# KiCad board board.kicad_pcb (continued)
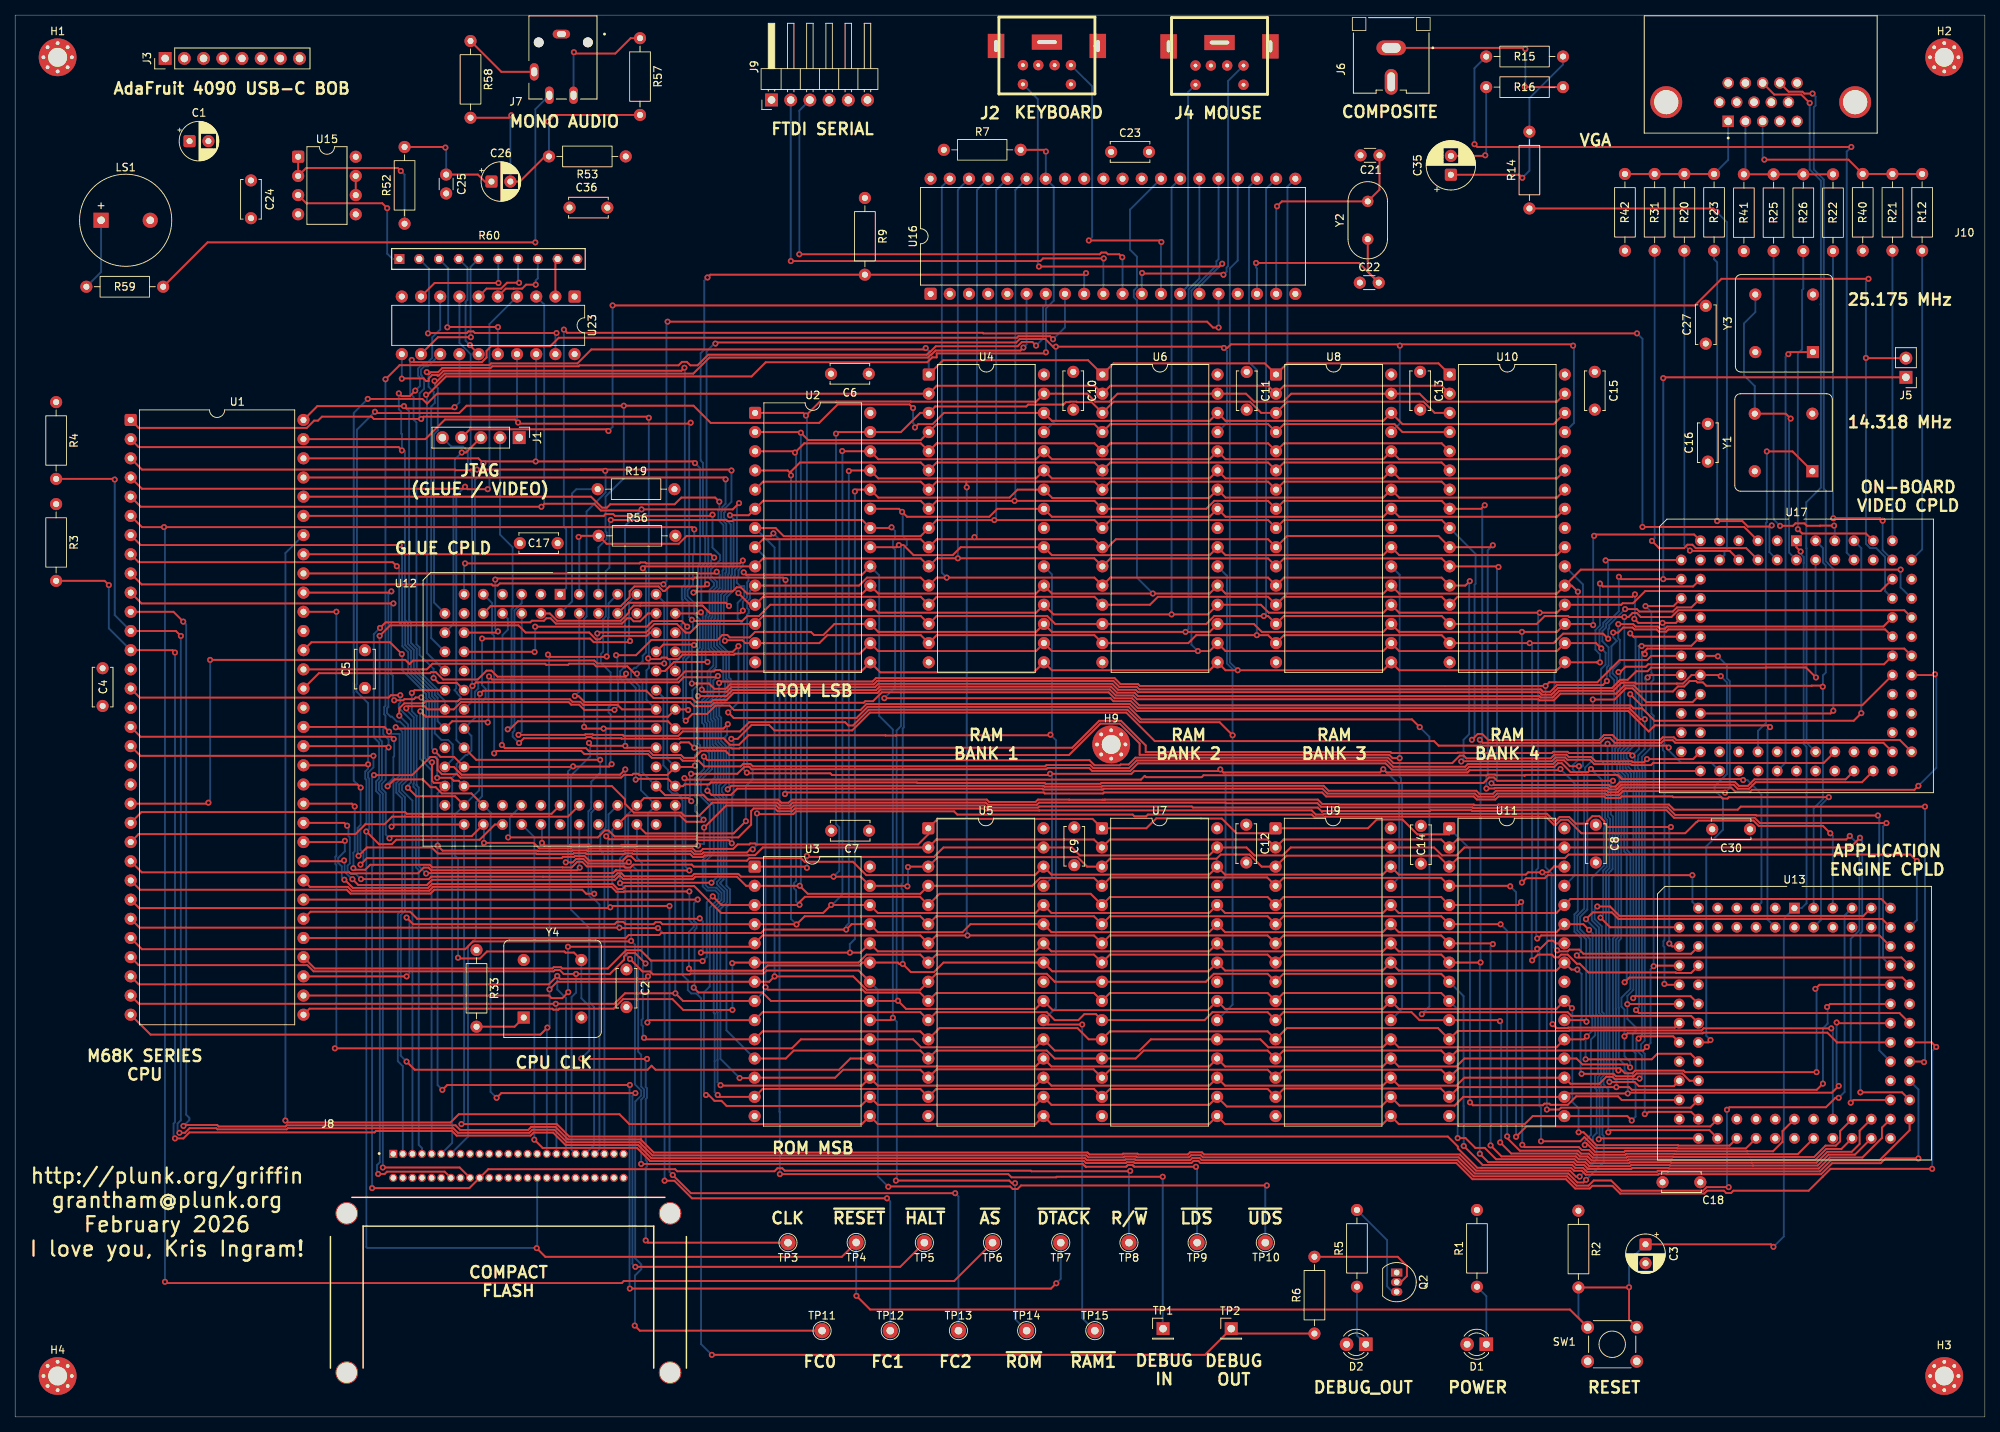
[diagram p0: board, top side]
## Routing (per net, layer and track width the routed paths; a pad name or vN(x,y) marks a point on that pad's centre or on a via; arc(x,y) is an arc through that point) (continued)
D15: length 313.9
  Top w0.25: U13.27 221.67,48.08 217.26,48.08 216.52,47.34 v1(207.77,47.34) ; v1(42.3,48.79) 102.77,48.79 103.96,49.99 U3.19 118.81,49.99 119.86,48.93 135,48.93 U5.21 137.54,48.5 148.77,48.5 150.26,49.99 U7.21 164.75,49.99 165.8,48.93 180.94,48.93 U9.21 183.05,48.93 203.92,48.93 U11.21 207.54,49.99 v1(207.94,50.38) ; U17.27 221.93,94.63 215.82,94.63 214,96.45 213.08,96.45 211.6,94.97 v1(208.73,94.97) ; v1(42.5,106.59) 42.49,106.58 U1.54
  Bottom w0.25: v1(207.77,47.34) 207.77,50.35 207.81,50.38 v1(207.94,50.38) 208.66,51.11 208.66,52.77 208.33,53.11 208.33,63.28 207.04,64.57 207.04,66.2 208,67.16 208,85.01 207.71,85.31 207.71,85.95 208.73,86.96 v1(208.73,94.97) ; v1(42.5,106.59) 42.5,74.28 42.37,74.15 42.37,73.19 42.5,73.06 42.5,48.99 v1(42.3,48.79)
DEBUG_IN: length 190.6
  Top w0.25: v1(74.55,116.49) 74.7,116.64 R56.1 78.25,115.59 87.79,115.59 88.83,116.62 99.98,116.62 v1(100.32,116.96) ; v1(151.82,31.79) 137.8,31.79 137.72,31.72 131.82,31.72 131.4,32.14 v1(101.18,32.14)
  Bottom w0.25: v1(100.32,116.96) 101.13,116.16 101.13,40.39 101.18,40.35 v1(101.18,32.14) ; U12.83 74.64,116.4 v1(74.55,116.49) ; 151.82,11.73 v1(151.82,31.79)
DEBUG_OUT: length 173.2
  Top w0.25: R6.1 161.75,11.04 161.1,11.69 TP2.1 157.42,8.22 v1(92.18,8.22)
  Bottom w0.25: v1(92.18,8.22) 90.75,9.64 90.75,55.43 90.12,56.06 89.45,56.06 89,56.51 89,57.79 88.3,58.49 88.3,81.63 88.17,81.76 88.17,81.96 87.59,82.54 86.94,82.54 86.38,83.11 86.38,85.65 85.76,86.26 85.76,95.24 84.8,96.21
ENGINE_TCK: length 252.7
  Top w0.25: U13.62 253.56,49.58 v1(254.16,48.98) ; v1(68.69,36.7) 69.79,35.61 72.68,35.61 72.68,35.6 82.28,35.6 84.02,33.87 141.41,33.87 141.66,33.61 146.94,33.61 147.05,33.72 148,33.72 148.11,33.61 155.62,33.61 155.9,33.89 156.55,33.89 156.83,33.61 190.68,33.61 192.82,31.47 205.17,31.47 206.4,30.24 208.32,30.24 208.67,30.59 211.33,30.59 212.35,29.57 223.47,29.57 223.85,29.94 226.07,29.94 226.38,29.64 227.02,29.64 227.33,29.94 237.28,29.94 239.16,31.82 239.16,31.82 240.18,32.84 v1(253.62,32.84)
  Bottom w0.25: v1(254.16,48.98) 253.62,48.44 v1(253.62,32.84) ; 67.02,78.43 68.69,76.75 v1(68.69,36.7)
ENGINE_TDI: length 182.3
  Top w0.25: U13.14 219.24,62.28 v1(218.85,62.67) ; v1(219.05,78.09) 210.7,78.09 210.26,78.54 210.26,78.86 209.6,79.52 208.66,79.52 208,78.86 208,78.54 206.48,78.54 205.59,79.43 204.35,79.43 203.71,78.79 202.67,79.84 173.16,79.84 173.06,79.74 172.09,79.74 171.54,80.29 135.49,80.29 135.48,80.28 128.39,80.28 128.13,80.54 103.16,80.54 102.8,80.18 100.9,80.18 100.54,80.54 97.71,80.54 97.38,80.21 97.38,78.41 95.68,76.72 90.34,76.72 90.21,76.84 79.32,76.84 78.52,77.64 78.03,77.64 77.1,76.72 v1(65.22,76.72)
  Bottom w0.25: v1(219.05,78.09) 218.85,77.89 v1(218.85,62.67) ; 67.02,80.97 65.44,79.39 65.44,76.93 v1(65.22,76.72)
ENGINE_TDO: length 205.1
  Top w0.25: v1(69.7,75.99) 70.05,75.64 73.33,75.64 73.44,75.75 75.96,75.75 76.07,75.64 80.15,75.64 80.24,75.73 82.13,75.73 82.22,75.64 v1(90.35,75.64) ; v1(91.15,78.02) 94.07,80.94 100.67,80.94 101.06,80.55 102.64,80.55 103.03,80.94 128.27,80.94 128.55,80.66 135.32,80.66 135.48,80.81 155.68,80.81 155.82,80.67 172.35,80.67 172.9,80.12 173,80.22 187.18,80.22 187.27,80.31 192.67,80.31 192.77,80.22 196.45,80.22 196.54,80.31 218.48,80.31 219.48,79.31 230.13,79.31 230.83,78.62 v1(247.57,78.62)
  Bottom w0.25: v1(91.15,78.02) 91.15,75.84 90.55,75.84 v1(90.35,75.64) ; U13.71 247.12,60.72 247.12,78.17 v1(247.57,78.62) ; v1(69.7,75.99) 69.7,78.28
ENGINE_TMS: length 187.8
  Top w0.25: v1(94.34,93.26) 95.06,92.53 111.32,92.53 112.79,93.99 147.31,93.99 148.97,92.34 184.8,92.34 v1(185.82,91.31) ; U13.23 221.74,53.08 205.9,53.08 205.41,53.58 186.36,53.58 v1(186.1,53.32) ; v1(95.69,102.04) 94.94,101.28 U12.70
  Bottom w0.25: v1(186.1,53.32) 187.11,54.32 187.11,90.03 v1(185.82,91.31) ; v1(94.34,93.26) 95.69,94.61 v1(95.69,102.04)
FC0: length 376.1
  Top w0.25: U13.33 209.64,36.88 v1(209.51,36.75) ; v1(81.5,63.02) 81.43,62.95 60.57,62.95 59.54,61.91 16.78,61.91 U1.28 ; TP11.1 82.65,11.42 v1(81.97,12.09) ; v1(89.43,85.14) 95.55,85.14 96.48,86.06 97.12,86.06 97.44,85.75 136.44,85.75 136.61,85.92 142.09,85.92 142.5,85.51 147.53,85.51 148.54,86.52 181.32,86.52 182.14,85.69 191.99,85.69 192.34,86.05 203.63,86.05 204.12,86.54 204.61,86.54 205.79,85.37 208.09,85.37 v1(208.49,85.77) ; U12.52 83.22,81.93 89.04,81.93 v1(89.46,81.52) ; U17.33 208.61,85.5 208.49,85.63
  Bottom w0.25: v1(209.51,36.75) 209.62,36.87 209.62,43.48 209.4,43.71 209.4,44.97 209.79,45.37 209.79,53.24 209.54,53.49 209.54,64.79 208.59,65.74 208.59,71.37 210.18,72.96 210.18,77.86 210.26,77.93 210.26,78.86 209.97,79.15 209.97,84.28 v1(208.49,85.77) ; v1(89.46,81.52) 89.28,81.7 89.28,84.99 v1(89.43,85.14) ; v1(81.97,12.09) 82.01,12.12 82.01,18.71 82.84,19.54 82.84,20.19 82.04,20.98 82.04,41.75 82.84,42.54 82.84,43.19 82.01,44.02 82.01,62.51 v1(81.5,63.02) 81.5,72.09 80.41,73.18 80.41,73.77 81.1,74.46 81.1,79.81 U12.52
FC1: length 378.4
  Top w0.25: v1(91.12,87.41) 91.59,86.94 142.14,86.94 142.81,86.27 146.16,86.27 146.26,86.37 147.33,86.37 148.23,87.27 181.64,87.27 182.36,86.55 190.13,86.55 191.13,87.55 191.64,87.55 192.01,87.18 203.16,87.18 203.65,87.67 205.23,87.67 205.53,87.37 208.51,87.37 209.09,86.79 213.88,86.79 214.01,86.66 215.47,86.66 v1(215.89,87.08) 222,87.08 U17.34 ; U12.49 80.92,79.62 87.96,79.62 88.79,78.79 90.81,78.79 v1(91.08,79.06) ; U1.27 16.47,64.77 v1(79.95,64.77) 80,64.72 v1(85.05,64.72) ; U13.34 221.74,40.38 216.12,40.38 215.77,40.04 215.73,40.09 v1(215.6,40.09) ; v1(115.35,28.94) 89.54,28.94 87.22,31.27 v1(85.93,31.27)
  Bottom w0.25: v1(115.35,28.94) 115.78,28.51 TP12.1 ; v1(91.08,79.06) 89.97,80.17 89.97,80.93 90.23,81.19 90.23,81.84 89.97,82.1 89.97,84.59 91.12,85.74 v1(91.12,87.41) ; v1(79.95,64.77) 79.72,65 79.72,69.89 79.01,70.6 79.01,77.71 U12.49 ; v1(85.05,64.72) 85.93,63.84 v1(85.93,31.27) ; v1(215.89,87.08) 215.6,86.79 215.6,86.01 215.67,85.94 215.67,82.49 215.6,82.42 215.6,49.81 215.11,49.31 215.11,48.57 215.6,48.07 v1(215.6,40.09)
FC2: length 413.5
  Top w0.25: v1(78.2,76.87) 78.6,76.47 90.06,76.47 90.19,76.34 94.42,76.34 v1(94.81,75.94) ; v1(218.77,88.6) 218.51,88.86 210.92,88.86 v1(210.68,89.11) 210.43,88.86 188.33,88.86 187.73,89.47 150.78,89.47 147,93.24 113.1,93.24 110.74,90.88 100.46,90.88 99.75,91.59 97.42,91.59 95.59,89.76 v1(94.75,89.76) ; v1(86.57,67.64) 78.92,67.64 v1(78.74,67.46) 78.64,67.37 16.41,67.37 U1.26 ; v1(124.38,29.62) 89.4,29.62 v1(87,32.02) ; v1(210.78,37.68) 211.06,37.97 224.16,37.97 U13.35
  Bottom w0.25: v1(87,32.02) 86.57,32.44 v1(86.57,67.64) ; v1(124.38,29.62) 124.8,29.19 TP13.1 ; U12.50 78.52,79.77 78.52,77.19 v1(78.2,76.87) 78.43,76.64 78.43,67.77 v1(78.74,67.46) ; U17.35 224.39,86.62 220.39,86.62 218.77,88.24 v1(218.77,88.6) ; v1(94.75,89.76) 95.05,89.46 95.05,82.36 94.88,82.19 94.88,76.01 v1(94.81,75.94) ; v1(210.68,89.11) 210.68,86.55 210.72,86.5 210.72,79.46 211.01,79.17 211.01,77.62 210.94,77.54 210.94,72.65 210.47,72.18 210.47,61.66 210.55,61.58 210.55,45.05 210.15,44.65 210.15,44.02 210.78,43.39 v1(210.78,37.68)
IO_RESET: length 112.7
  Top w0.25: v1(141.68,151.42) 141.47,151.21 R9.2 91.97,151.21 v1(91.6,150.84) ; 84.8,98.75 85.98,98.75 87.17,99.94 v1(91.6,99.94)
  Bottom w0.25: v1(141.68,151.42) 141.44,151.18 U16.9 ; v1(91.6,150.84) 91.18,150.42 91.18,141.3 90.7,140.82 90.7,126.61 91,126.31 91,116.67 91.3,116.37 91.3,113.06 90.78,112.54 90.78,107.56 91.5,106.84 91.5,106.2 91.34,106.04 91.34,100.2 v1(91.6,99.94)
JTAG_TCK: length 257.1
  Top w0.25: v1(94.29,91.71) 93.71,91.12 U12.62 86.38,92.09 66.52,92.09 65.46,91.02 v1(65.17,91.02) ; v1(251.8,83.54) 251.27,83.02 229.79,83.02 229.55,82.78 227.57,82.78 227.04,83.31 212.65,83.31 212.02,82.69 210.76,82.69 210.55,82.89 195.92,82.89 195.52,82.49 193.72,82.49 193.31,82.89 173.76,82.9 173.11,83.55 143.87,83.55 143.76,83.44 136.16,83.44 136.05,83.55 94.74,83.55 v1(94.27,83.08) ; v1(254,98.31) 253.89,98.21 U17.62
  Bottom w0.25: v1(254,98.31) 254.18,98.14 254.18,85.92 v1(251.8,83.54) ; v1(94.27,83.08) 94.47,83.28 94.47,88.98 93.97,89.48 93.97,90.08 94.19,90.29 94.19,91.61 v1(94.29,91.71) ; J1.2 64.15,116.8 65.82,115.13 65.82,107.07 65.68,106.92 65.68,91.53 v1(65.17,91.02)
JTAG_TDI: length 28.1
  Top w0.25: v1(59.09,127.68) 59.65,127.68 J1.3
  Bottom w0.25: v1(59.09,127.68) 58.18,126.76 58.18,122.32 57.99,122.13 57.99,104.95 56.86,103.83
JTAG_TDO: length 254.1
  Top w0.25: v1(245.2,150.67) 225.76,150.67 222.24,147.14 v1(79.05,147.14) ; 250.15,140.17 244.89,140.17 v1(244.86,140.19) ; J1.4 60.17,130.74 78.27,130.74 v1(78.5,130.52)
  Bottom w0.25: v1(245.2,150.67) 244.86,150.33 v1(244.86,140.19) 244.86,115.59 245.43,115.02 246.22,115.02 247.4,113.84 247.4,109.33 U17.71 ; v1(78.5,130.52) 79.05,131.06 v1(79.05,147.14)
JTAG_TMS: length 246.1
  Top w0.25: v1(92.97,98.09) 92.8,97.92 88.44,97.92 87.77,97.24 60.99,97.24 v1(60.51,96.76) ; U17.23 225.22,100.75 v1(225.27,100.69) ; v1(91.59,82.89) 92.15,82.34 94.7,82.34 95.53,83.17 135.9,83.17 136.01,83.06 143.71,83.06 143.92,83.06 144.03,83.17 172.96,83.17 173.61,82.52 193.13,82.52 193.54,82.11 195.67,82.11 196.08,82.52 210.39,82.52 210.6,82.31 212.18,82.31 212.71,82.84 226.02,82.84 v1(226.22,82.63)
  Bottom w0.25: J1.5 57.72,128.45 59.26,128.45 59.89,127.82 59.89,125.53 60.45,124.97 60.45,97.05 60.36,96.97 60.36,94.63 59.4,93.67 ; v1(92.97,98.09) 92.37,97.49 92.37,95.29 91.64,94.57 91.64,92.19 91.9,91.93 91.9,88.84 92.57,88.17 92.57,84.61 91.59,83.63 v1(91.59,82.89) ; v1(226.22,82.63) 226.85,83.26 226.85,97.4 226.47,97.78 226.47,99.5 v1(225.27,100.69)
KBD_CLK: length 41.1
  Top w0.25: v1(151.65,155.54) 151.45,155.74 v1(142.05,155.74)
  Bottom w0.25: J2.5 142.49,176.15 142.49,156.18 v1(142.05,155.74) ; v1(151.65,155.54) 151.59,155.49 U16.13
KBD_DATA: length 54.6
  Top w0.25: v1(135.45,152.29) 159.32,152.29 v1(159.7,152.67)
  Bottom w0.25: J2.1 135.3,174.44 135.3,152.44 v1(135.45,152.29) ; v1(159.7,152.67) 156.68,149.64 U16.15
MOUSE_CLK: length 42.4
  Top w0.25: v1(159.86,151.2) 159.7,151.37 149.18,151.37 v1(149.1,151.44)
  Bottom w0.25: U16.12 149.06,151.4 v1(149.1,151.44) ; J4.5 160.48,176.86 160.48,152.34 160.27,152.14 160.27,151.61 v1(159.86,151.2)
MOUSE_DATA: length 28.5
  Bottom w0.25: J4.1 155.19,175.38 155.19,149.74 154.87,149.42 154.87,149.41 U16.14
PIXEL_CLK: length 41.2
  Top w0.25: v1(234.9,132.17) 234.25,132.81 Y1.5
  Bottom w0.25: U17.2 234.7,114.41 234.7,131.97 v1(234.9,132.17) ; Y3.5 230.23,146.26 228.73,144.75 228.73,137.89 230.15,136.46 Y1.5
R/~{W}: length 621.5
  Top w0.25: U13.25 223.99,49.58 v1(224.3,49.89) ; v1(85.77,110.22) 85.65,110.34 64.12,110.34 63.85,110.06 63.2,110.06 63.06,110.21 16.74,110.21 U1.9 ; v1(147.53,32.56) 147.47,32.52 134.46,32.52 134.38,32.59 101.82,32.59 101.5,32.92 100.85,32.92 100.45,32.52 87.6,32.52 87.32,32.79 62.6,32.79 J8.35 60.1,30.29 v1(47.22,30.29) ; v1(159.23,144.22) 158.48,144.22 157.7,144.99 v1(86.32,144.99) ; v1(225.65,98.06) 225.51,98.21 U17.25 221.79,98.21 220.66,97.08 219.84,97.08 219.84,97.08 214.43,97.08 214.31,97.2 212.75,97.2 212.75,97.2 212.51,97.2 211.43,96.12 204.29,96.12 203.41,95.24 201.84,95.24 201.69,95.39 201.69,95.39 201.66,95.42 148.56,95.42 148.09,95.88 145.78,95.88 144.99,96.68 114.36,96.68 113.91,96.22 94.9,96.22 94.1,95.43 v1(90.34,95.43) ; v1(47.47,84.96) 52.52,84.96 54.92,87.35 55.56,87.35 55.9,87.02 55.9,85.65 56.46,85.08 58.47,85.08 58.91,84.64 80.18,84.64 80.53,84.99 81.63,84.99 81.78,85.14 82.42,85.14 82.57,84.99 86.28,84.99 U12.58 89.77,86.05 v1(89.94,86.21)
  Bottom w0.25: v1(90.34,95.43) 90.4,95.37 90.4,89.13 90.62,88.91 90.62,88.26 89.94,87.58 v1(89.94,86.21) ; TP8.1 147.36,32.4 v1(147.53,32.56) ; U12.58 86.28,87.11 86.28,99.04 86.65,99.42 86.65,100.06 86.28,100.44 86.28,109.72 v1(85.77,110.22) 86.18,110.62 86.18,144.84 v1(86.32,144.99) ; v1(47.47,84.96) 47.22,84.71 47.22,76.75 47.4,76.57 47.4,73.01 47.22,72.83 v1(47.22,30.29) ; v1(159.23,144.22) 159.21,144.23 U16.16 ; v1(225.65,98.06) 226.47,97.25 226.47,85.11 224.85,83.49 224.85,82.96 225.95,81.86 225.95,77.73 223.74,75.52 223.74,50.45 v1(224.3,49.89)
SYSCLK: length 409.2
  Top w0.25: v1(58.6,60.79) 58.7,60.69 61.51,60.69 62.43,61.62 72.67,61.62 72.82,61.47 73.94,61.47 Y4.5 ; TP3.1 83.72,23.06 v1(83.43,23.37) ; v1(74.9,47.44) 74.95,47.39 v1(83.6,47.39) ; v1(50.96,95.54) 49.72,95.54 49.41,95.22 16.49,95.22 U1.15 ; v1(51.96,83.28) 53.08,82.16 58.2,82.16 U12.34 ; v1(239.15,96.67) 239,96.81 237.7,96.81 237.68,96.79 223.74,96.79 223.29,97.24 222.57,97.24 222.39,97.42 221.53,97.42 220.82,96.7 220,96.7 219.33,96.04 214.94,96.04 214.15,96.83 212.91,96.83 211.82,95.74 204.45,95.74 203.56,94.86 201.69,94.86 201.54,95.01 148.43,95.01 147.94,95.5 145.63,95.5 144.83,96.3 114.52,96.3 114.07,95.84 95.05,95.84 94.13,94.92 92.34,94.92 92.04,94.62 90.06,94.62 89.52,95.17 84.47,95.17 83.5,96.14 61.9,96.14 v1(61.49,95.73)
  Bottom w0.25: v1(61.49,95.73) 61.4,95.63 61.4,82.96 U12.34 58.2,79.77 58.2,74.3 58.6,73.9 v1(58.6,60.79) ; v1(83.43,23.37) 83.43,32.99 83.6,33.17 83.6,33.81 83.43,33.99 83.43,42.07 83.59,42.23 83.59,43.5 83.43,43.66 83.43,47.22 v1(83.6,47.39) ; Y4.5 74.91,55.43 75.96,54.38 75.96,48.5 v1(74.9,47.44) ; v1(50.96,95.54) 50.96,94.58 50.77,94.39 50.77,93.84 52.37,92.24 52.37,84 51.96,83.59 v1(51.96,83.28) ; U13.83 237.94,80.57 239.17,81.79 239.17,96.65 v1(239.15,96.67) 239.17,96.68 239.17,98.16 239.55,98.54 239.55,112.74 239.17,113.12 239.17,115.02 U17.83
UART_RX: length 68.9
  Top w0.25: v1(146.47,153.52) 146.07,153.92 144.57,153.92 144.35,154.14 143.7,154.14 143.48,153.92 v1(103.75,153.92)
  Bottom w0.25: v1(103.75,153.92) 103.75,172.94 J9.3 ; v1(146.47,153.52) 146.51,153.48 U16.11
UART_TX: length 67.6
  Top w0.25: v1(144.03,153.37) 135.99,153.37 135.64,153.02 v1(102.62,153.02)
  Bottom w0.25: v1(144.03,153.37) 143.97,153.31 U16.10 ; J9.2 102.61,153.03 v1(102.62,153.02)
VGA_B0: length 41.5
  Bottom w0.25: R12.2 252.3,114.84 U17.74
VGA_B1: length 38.4
  Bottom w0.25: R21.2 248.37,115.99
VGA_BLUE: length 26.8
  Top w0.25: R12.1 R21.1 R40.2 242.55,166.44 v1(231.43,166.44)
  Bottom w0.25: v1(231.43,166.44) 231.2,166.67 J10.3
VGA_CLK_ENB: length 59.2
  Top w0.25: Y3.1 234.88,140.97 v1(234.6,140.69)
  Bottom w0.25: U17.41 234.22,86.6 234.22,140.31 v1(234.6,140.69)
VGA_G0: length 47.8
  Top w0.25: v1(240.55,118.97) 246.75,118.97 v1(247.07,118.64)
  Bottom w0.25: v1(247.07,118.64) 247.07,114.74 U17.76 ; v1(240.55,118.97) 240.5,119.01 R22.2
VGA_G1: length 47.7
  Top w0.25: U17.77 244.86,116.95 236.42,116.95 v1(235.85,117.52)
  Bottom w0.25: R26.2 236.57,149.33 236.42,149.18 236.42,141.32 235.85,140.75 v1(235.85,117.52)
VGA_G2: length 46.2
  Top w0.25: v1(240.65,117.99) 238.79,117.99 238.76,117.97 237.05,117.97 236.72,118.29 235.53,118.29 235.21,117.97 v1(233.5,117.97)
  Bottom w0.25: v1(233.5,117.97) 232.64,118.82 R25.2 ; U17.81 240.75,117.9 v1(240.65,117.99)
VGA_GREEN: length 18.6
  Top w0.25: R22.1 R26.1 R25.1 R41.2
  Bottom w0.25: J10.2 228.92,164.7
VGA_HSYNC: length 95.2
  Top w0.25: v1(237.43,173.94) 236.31,175.06 232.73,175.06 J10.13
  Bottom w0.25: v1(237.43,173.94) 237.43,165.14 238.9,163.66 238.9,147.34 238.85,147.29 238.9,147.24 238.9,123.02 236.98,121.09 236.98,115.02 237.01,114.98 237.01,89.24 U17.46
VGA_R0: length 48.7
  Top w0.25: v1(225.18,118.59) 228.51,118.59 229.24,117.87 232.25,117.87 v1(232.4,118.02)
  Bottom w0.25: v1(225.18,118.59) 225.18,152.84 224.77,153.25 R23.2 ; v1(232.4,118.02) 232.09,117.7 232.09,114.48 U17.4
VGA_R1: length 47
  Top w0.25: U17.8 226.85,114.64 221.62,114.64 v1(221.57,114.69)
  Bottom w0.25: v1(221.57,114.69) 220.84,115.43 R20.2
VGA_R2: length 54
  Top w0.25: v1(216.55,115.97) 217.49,115.02 220.81,115.02 221.25,115.47 221.9,115.47 222.34,115.02 229.01,115.02 U17.6
  Bottom w0.25: v1(216.55,115.97) 216.91,116.33 R31.2
VGA_RED: length 19.5
  Top w0.25: R23.1 R20.1 R31.1 R42.2
  Bottom w0.25: J10.1 226.64,166.41 R23.1
VGA_VSYNC: length 105.7
  Top w0.25: v1(237.8,175.19) 236.71,175.19 236.46,175.44 234.63,175.44 J10.14 ; U17.29 240.19,93.12 v1(240.55,93.49)
  Bottom w0.25: v1(237.8,175.19) 238.2,174.79 238.2,173.62 237.98,173.39 237.98,165.12 239.28,163.82 239.28,122.89 239.55,122.62 239.55,113.28 240.55,112.28 v1(240.55,93.49)
VIDEO_STALL: length 207.9
  Top w0.25: v1(74.05,95.44) 74.53,95.44 75.34,94.63 89.28,94.63 89.81,94.09 92.04,94.09 92.49,94.54 112.27,94.54 112.47,94.75 113.5,94.75 114.68,95.92 144.67,95.92 145.47,95.12 147.78,95.12 148.71,94.19 213.74,94.19 214.12,93.81 215.25,93.81 216.9,92.16 243.25,92.16 v1(244.25,93.17)
  Bottom w0.25: U17.79 244.25,115.02 v1(244.25,93.17) ; v1(74.05,95.44) 74.64,96.03 U12.84
VIDEO_TDI: length 215.9
  Top w0.25: v1(212.18,111.22) 212.49,110.91 v1(218.05,110.91) U17.14 ; J5.1 218.16,137.62 v1(218.05,137.52) ; v1(89.53,97.09) 91.8,97.09 92.51,96.39 94,96.39 94.58,96.98 113.6,96.98 114.05,97.43 145.3,97.43 146.09,96.63 148.41,96.63 148.73,96.31 201.83,96.31 202,96.14 202.01,96.14 202.15,95.99 203.1,95.99 203.98,96.88 210.04,96.88 v1(210.58,97.42) ; 84.8,101.28 85.76,102.25 89.74,102.25 v1(89.81,102.17)
  Bottom w0.25: v1(89.81,102.17) 89.53,101.88 89.53,97.09 v1(89.53,97.09) ; v1(212.18,111.22) 212.18,106.65 210.49,104.97 210.49,104.53 209.99,104.02 209.99,102.69 210.82,101.86 210.82,99.46 210.58,99.22 v1(210.58,97.42) ; v1(218.05,137.52) v1(218.05,110.91)
~{AS}: length 513.9
  Top w0.25: U17.21 221.77,102.09 215.23,102.09 v1(215.19,102.05) ; v1(214.07,55.44) 214.33,55.7 221.67,55.7 U13.21 ; U12.60 88.05,89.3 89.14,89.3 v1(89.85,88.59) 94.75,88.59 94.85,88.49 95.8,88.49 95.9,88.59 139.86,88.59 143.42,92.15 146.31,92.15 149.57,88.89 149.57,88.03 181.95,88.03 182.1,87.88 190.8,87.88 190.84,87.92 191.8,87.92 191.84,87.88 203.33,87.88 203.5,88.05 205.39,88.05 205.56,87.88 213.64,87.88 v1(213.96,87.56) ; v1(19.83,17.89) 20,17.72 80.25,17.72 80.53,17.99 124.24,17.99 TP6.1 ; v1(89.85,117.49) 89.55,117.79 v1(19.7,117.79) 16.78,117.79 U1.6
  Bottom w0.25: v1(19.7,117.79) 19.83,117.67 v1(19.83,17.89) ; v1(89.85,88.59) 89.85,94.83 89.6,95.08 89.6,96.2 90.3,96.9 90.3,101.57 90.59,101.85 90.59,105.56 89.85,106.3 89.85,107.77 88.97,108.65 88.97,109.45 89.67,110.16 89.67,114.12 89.85,114.3 v1(89.85,117.49) ; v1(214.07,55.44) 214.47,55.83 214.47,82.89 214.54,82.96 214.54,85.47 214.29,85.72 214.29,87.41 ; v1(213.96,87.56) 214.83,88.42 214.83,101.97 214.76,102.03 214.87,102.03 214.9,102.01 215.14,102.01 v1(215.19,102.05)
~{BERR}: length 58
  Top w0.25: U12.44 70.98,79.84 51.82,79.84 51.59,80.07 16.72,80.07 U1.22
~{BGACK}: length 367.2
  Top w0.25: v1(207.84,31.39) 207.49,31.04 206.67,31.04 205.48,32.22 193.13,32.22 190.99,34.36 157.14,34.36 156.86,34.64 155.59,34.64 155.31,34.36 148.42,34.36 148.31,34.47 146.74,34.47 146.63,34.36 141.98,34.36 141.72,34.62 84.33,34.62 82.6,36.36 72.99,36.36 71.34,38.01 68.44,38.01 68.04,37.61 58.57,37.61 57.97,38.22 36.07,38.22 35.92,38.07 26.78,38.07 26.62,38.22 23.07,38.22 22.47,37.61 v1(21.74,37.61) ; R4.2 13.08,124.18 v1(13.17,124.09) ; v1(209.32,67.57) 211,67.57 212.25,66.32 244.53,66.32 U13.77 ; v1(21.92,103.39) 21.28,104.04 U1.12
  Bottom w0.25: v1(21.92,103.39) 21.92,39.26 21.5,38.84 21.5,37.85 v1(21.74,37.61) ; v1(13.17,124.09) 13.17,106.16 U1.12 ; v1(209.32,67.57) 208.97,67.22 208.97,65.9 209.92,64.95 209.92,53.65 210.17,53.4 210.17,45.22 209.77,44.82 209.77,43.86 210,43.63 210,37.36 210.18,37.19 210.18,33.72 v1(207.84,31.39)
~{BG}: length 341.1
  Top w0.25: U13.76 247.01,65.92 212.13,65.92 211.25,66.79 208.73,66.79 v1(207.82,65.88) ; v1(22.28,38.52) 22.4,38.64 26.74,38.64 26.93,38.44 35.76,38.44 35.91,38.6 58.28,38.6 58.88,37.99 67.88,37.99 68.28,38.39 71.49,38.39 73.15,36.74 82.75,36.74 84.49,35 141.87,35 142.13,34.74 146.47,34.74 146.58,34.85 148.47,34.85 148.58,34.74 155.16,34.74 155.44,35.02 157.01,35.02 157.29,34.74 191.14,34.74 193.28,32.6 205.7,32.6 206.49,31.81 v1(206.99,31.81) ; U1.11 20.95,106.58 v1(22.24,105.28)
  Bottom w0.25: v1(206.99,31.81) 209.23,34.06 209.23,35.94 208.74,36.43 208.74,37.07 209.23,37.57 209.23,43.33 209.02,43.55 209.02,45.13 209.42,45.53 209.42,53.08 209.17,53.33 209.17,64.51 207.82,65.86 v1(207.82,65.88) ; v1(22.28,38.52) 23.05,39.29 23.05,39.59 22.62,40.02 22.62,104.9 v1(22.24,105.28)
~{BR}: length 349.8
  Top w0.25: v1(241.26,42.24) 240.82,42.24 239.58,41 226.81,41 v1(226.48,40.67) ; v1(21.15,101.19) 20.84,101.5 U1.13 ; v1(21.15,36.87) 22.26,36.87 23.05,37.67 47.55,37.67 47.73,37.84 57.81,37.84 58.42,37.24 68.2,37.24 68.59,37.63 71.18,37.63 72.83,35.98 82.44,35.98 84.18,34.24 141.56,34.24 141.82,33.99 146.78,33.99 146.89,34.09 148.16,34.09 148.27,33.99 155.47,33.99 155.75,34.27 156.7,34.27 156.98,33.99 190.83,33.99 192.97,31.85 205.32,31.85 206.56,30.61 208.17,30.61 208.85,31.29 211.15,31.29 212.5,29.94 223.32,29.94 223.79,30.42 v1(226.7,30.42) ; R3.2 11.84,110.68 v1(12.4,110.12)
  Bottom w0.25: v1(226.48,40.67) 226.48,30.64 v1(226.7,30.42) ; v1(12.4,110.12) 12.4,104.39 U1.13 ; v1(21.15,36.87) 20.96,37.06 20.96,38.83 21.15,39.02 v1(21.15,101.19) ; v1(241.26,42.24) 242.04,43.02 242.04,66.37 U13.79
~{CF_CS0}: length 121.8
  Top w0.25: v1(48.03,32.17) 48.9,32.17 49.2,32.47 56.82,32.47 J8.32 ; 84.8,106.37 83.73,106.37 82.69,105.33 81.83,105.33 81.43,105.73 80.98,105.73 80.28,105.02 71.55,105.02 70.84,105.73 70.29,105.73 69.96,105.4 68.36,105.4 68.15,105.19 49.02,105.19 v1(48.27,104.44)
  Bottom w0.25: v1(48.03,32.17) 47.88,32.32 47.88,33.34 48.25,33.71 48.25,82.35 47.75,82.85 47.75,84.12 48.15,84.52 48.15,89.28 47.45,89.97 47.45,103.62 v1(48.27,104.44)
~{CF_CS1}: length 96.8
  Top w0.25: v1(81.35,102.72) 81.2,102.56 76.55,102.56 76.07,103.04 v1(61.78,103.04)
  Bottom w0.25: U12.77 81.22,107.87 81.22,102.84 v1(81.35,102.72) ; v1(61.78,103.04) 61.78,96.87 62.25,96.39 62.25,95.22 61.78,94.74 61.78,82.16 60.98,81.36 60.98,63.35 59.91,62.29 59.91,37.09 J8.07
~{CPST_SYNC}: length 72
  Top w0.25: v1(225.1,159.54) 224.67,159.98 R14.1
  Bottom w0.25: U17.10 226.15,114.09 226.15,114.51 226.47,114.83 226.47,158.17 v1(225.1,159.54)
~{DTACK}: length 424.7
  Top w0.25: v1(55.9,75.62) 56.55,74.97 69.1,74.97 69.17,74.89 73.64,74.89 73.75,75 75.65,75 75.76,74.89 80.46,74.89 80.55,74.98 81.82,74.98 81.91,74.89 89.47,74.89 89.87,74.49 90.83,74.49 91.05,74.72 96.83,74.72 97.25,75.14 v1(97.57,75.14) ; v1(240.15,77.27) 239.18,78.24 230.67,78.24 229.97,78.94 222.68,78.94 222.51,78.76 222.45,78.76 220.95,77.27 207.22,77.27 205.44,79.05 204.5,79.05 203.84,78.39 203.58,78.39 202.51,79.46 173.31,79.46 173.21,79.36 171.94,79.36 171.56,79.74 149.87,79.74 149.64,79.51 148.09,79.51 147.86,79.74 124.65,79.74 124.22,80.17 103.32,80.17 102.95,79.8 98.24,79.8 v1(98.15,79.89) ; v1(53.73,95.24) 52.98,95.24 52.75,95.02 51.5,95.02 51.35,94.87 v1(50.15,94.87) ; v1(81.32,16.99) 137.05,16.99 v1(137.75,17.69) ; 56.86,83.5 56.43,83.94 55.41,83.94 55.15,84.2 v1(55.15,86.65) ; v1(50.04,107.69) 16.72,107.69 U1.10 ; v1(81.32,43.94) 57.18,43.94 v1(56.53,43.29)
  Bottom w0.25: v1(50.15,94.87) 49.97,95.04 49.97,98.15 49.75,98.37 49.75,107.4 v1(50.04,107.69) ; U13.81 240.49,76.93 v1(240.15,77.27) ; v1(81.32,16.99) 81.29,17.03 81.29,43.9 v1(81.32,43.94) ; 56.86,83.5 55.9,82.54 v1(55.9,75.62) 55.9,43.92 v1(56.53,43.29) ; v1(98.15,79.89) 98.15,75.72 v1(97.57,75.14) ; TP7.1 138.34,18.28 v1(137.75,17.69) ; v1(55.15,86.65) 54.78,86.65 54.21,87.22 54.21,92.71 54.39,92.89 54.39,94.59 v1(53.73,95.24)
~{ENGINE_DTACK}: length 220.2
  Top w0.25: U12.17 68.71,101.28 v1(68.72,101.27) ; v1(232.18,91.31) 231.94,91.55 216.93,91.55 216.12,90.74 213.43,93.44 148.4,93.44 147.47,94.37 112.63,94.37 111.85,93.59 95.1,93.59 94.53,94.17 92.65,94.17 91.55,93.06 89.62,93.06 v1(88.72,92.17) ; 68.68,104.62 83.58,104.62 84.32,105.35 88.19,105.35 v1(88.93,104.62)
  Bottom w0.25: v1(88.72,92.17) 88.38,92.51 88.38,100.43 88.68,100.73 88.68,104.37 v1(88.93,104.62) ; v1(232.18,91.31) 231.83,90.97 231.83,65.86 U13.4 ; v1(68.72,101.27) 68.8,101.34 v1(68.8,104.62)
~{ENGINE_IRQ}: length 236.3
  Top w0.25: v1(89.2,72.34) 79.55,72.34 79.5,72.39 79.1,71.99 54.43,71.99 v1(54.38,71.94) ; v1(228.62,84.31) 228.49,84.44 212.57,84.44 212.02,84.99 199.82,84.99 199.7,84.87 199.62,84.94 195.89,84.94 195.79,85.03 194.84,85.03 194.75,84.94 157.23,84.94 156.98,84.69 149.62,84.69 149.45,84.87 148.95,84.37 88.75,84.37 v1(88.55,84.56) ; v1(52.48,95.84) 52.85,96.21 56.86,96.21
  Bottom w0.25: U13.5 231.04,68.07 231.04,82.45 229.18,84.31 v1(228.62,84.31) ; v1(89.2,72.34) 88.68,72.86 88.68,84.43 v1(88.55,84.56) ; v1(52.48,95.84) 52.48,93.43 53.12,92.79 53.12,83.69 53.07,83.64 53.4,83.31 53.4,72.92 v1(54.38,71.94)
~{ENGINE_SELECT}: length 235.9
  Top w0.25: v1(239.95,82.04) 226.73,82.04 226.55,81.86 225.9,81.86 225.72,82.04 219.38,82.04 219.27,82.14 212.54,82.14 212.33,81.93 210.44,81.93 210.24,82.14 196.24,82.14 195.83,81.73 193.39,81.73 192.98,82.14 173.45,82.14 172.93,82.67 144.06,82.67 143.92,82.53 136.23,82.53 136.09,82.67 102.06,82.67 v1(101.85,82.46) ; 59.4,103.83 63.71,103.83 v1(63.88,103.99) ; v1(101.93,110.79) 101.61,111.11 89.92,111.11 89.68,110.87 89.55,110.99 63.68,110.99 v1(63.53,110.84)
  Bottom w0.25: v1(101.93,110.79) 101.93,82.53 v1(101.85,82.46) ; v1(63.88,103.99) 63.52,104.35 63.52,110.83 v1(63.53,110.84) ; v1(239.95,82.04) 238.91,81 238.91,65.78 U13.84
